# KiCad board TEST_PANEL.kicad_pcb (continued)
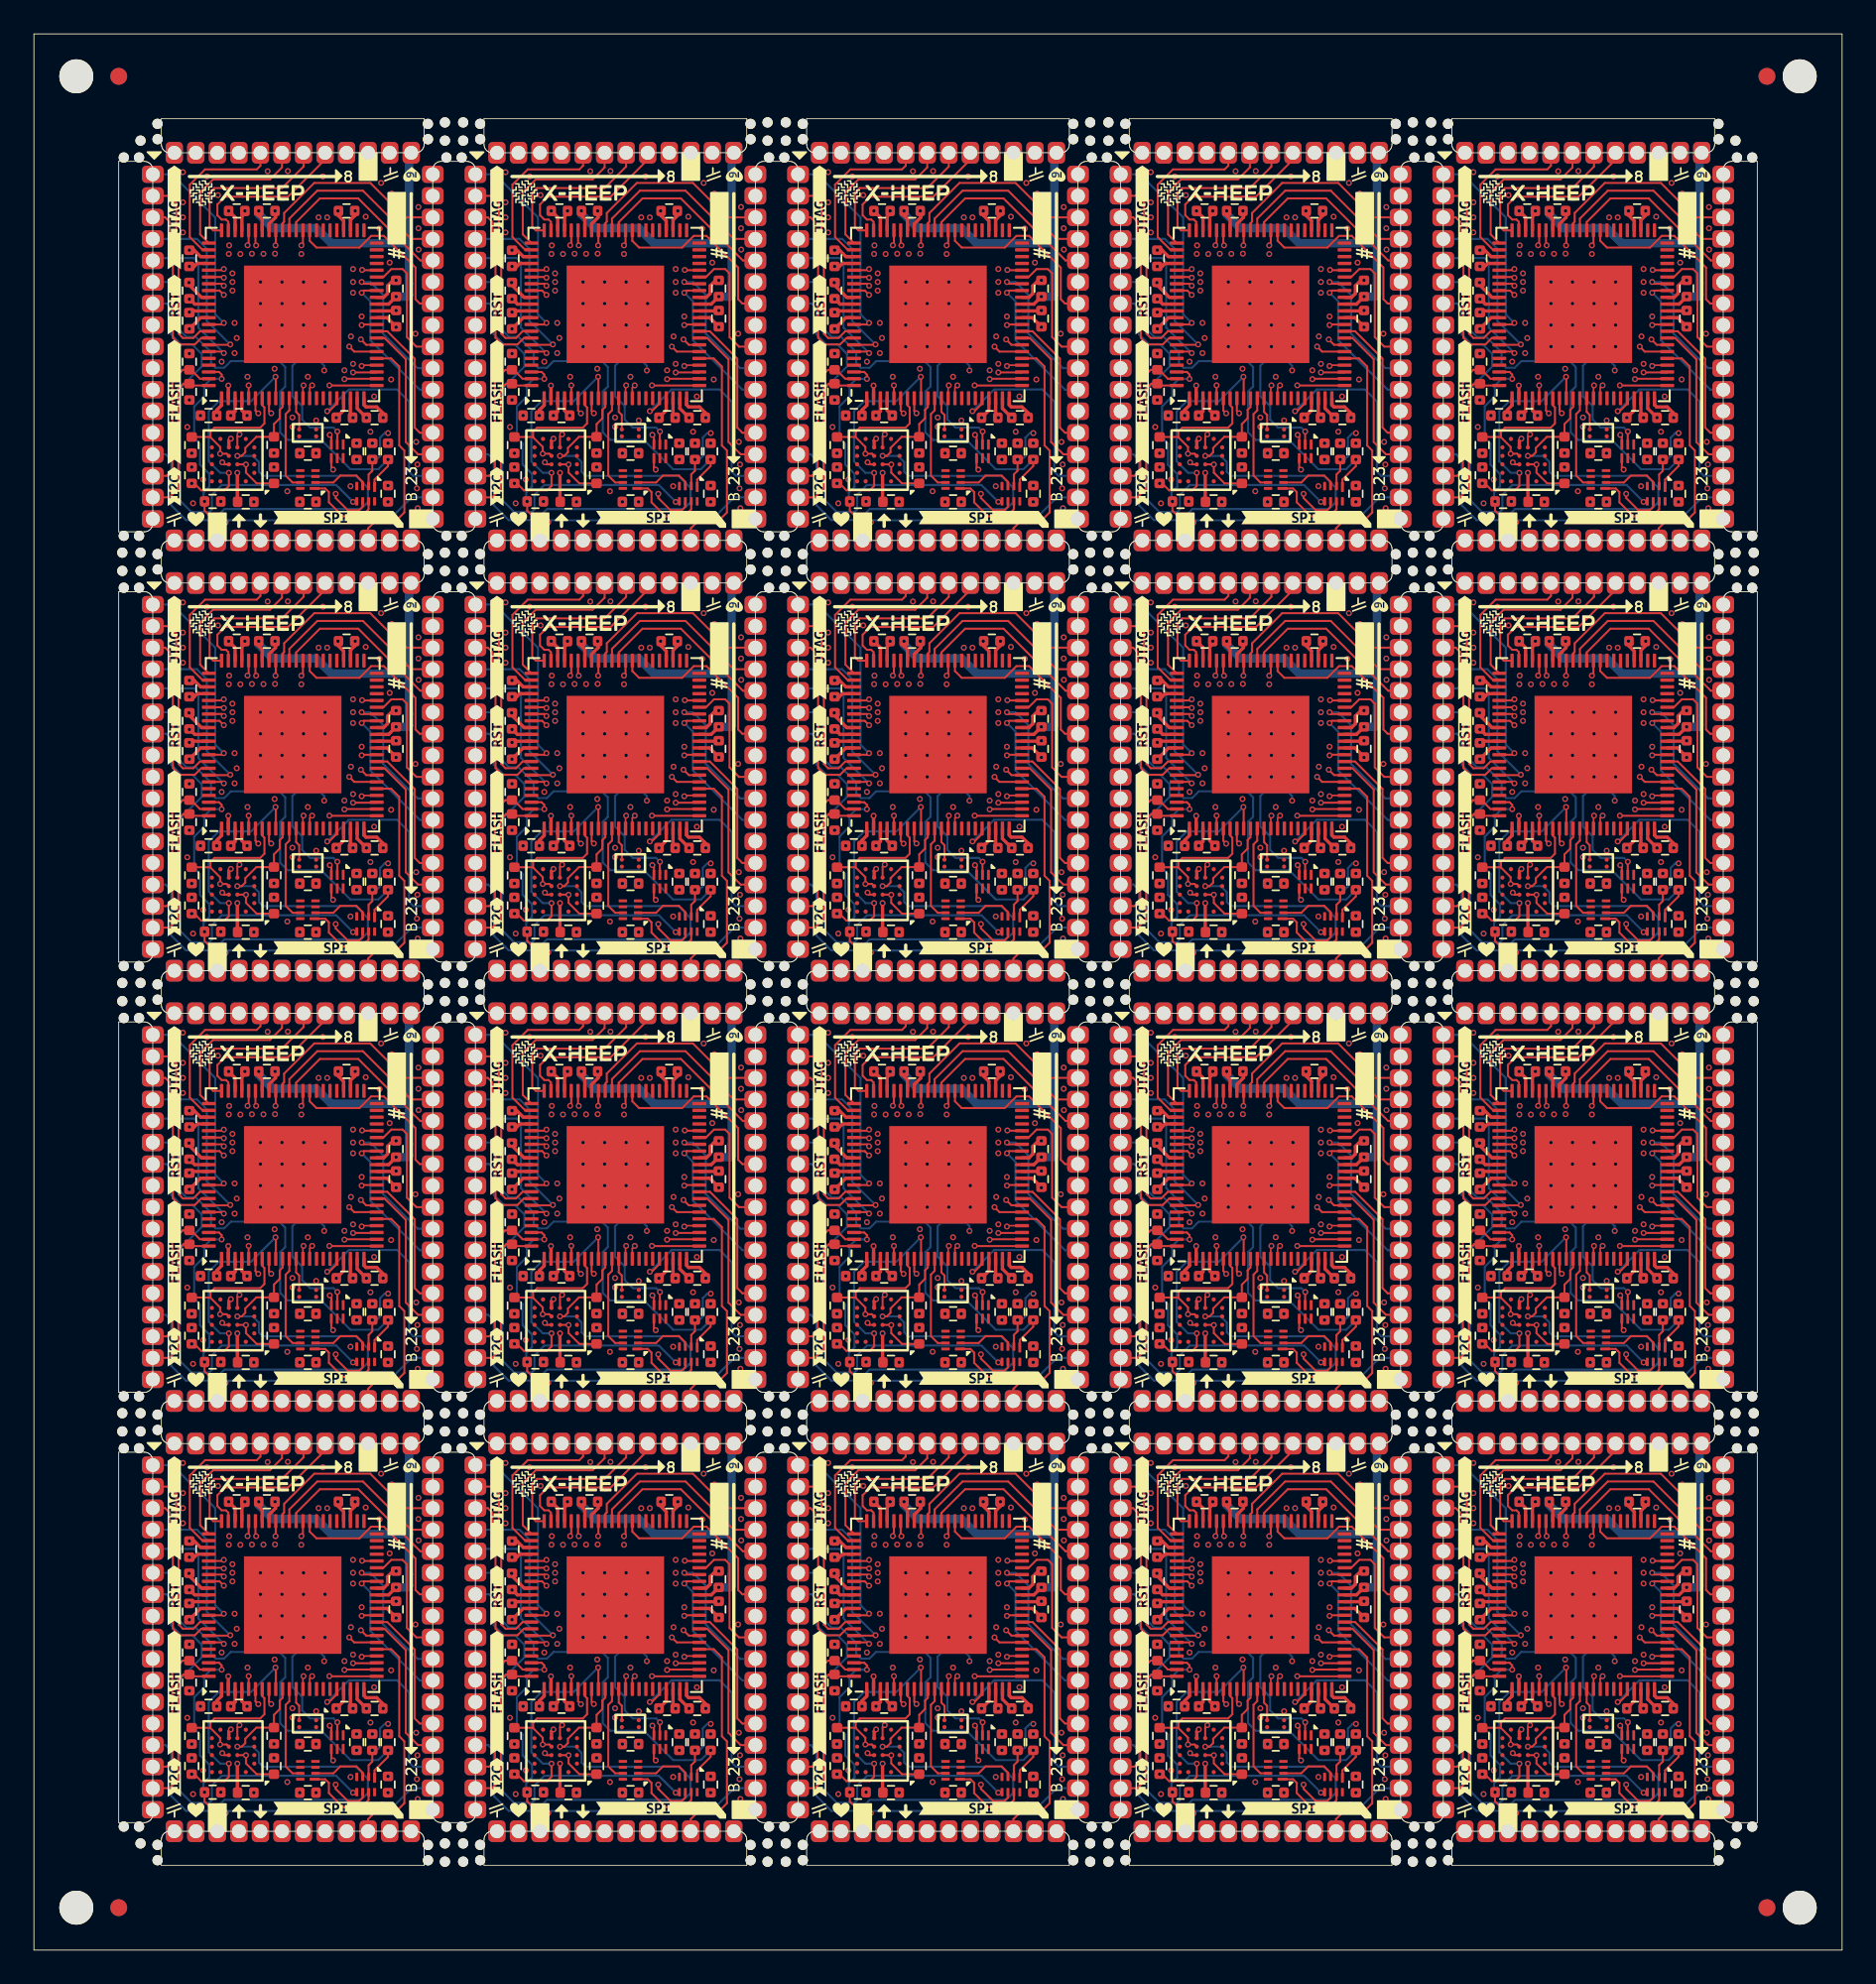
[diagram p0: board, top side]
## Routing (per net, layer and track width the routed paths; a pad name or vN(x,y) marks a point on that pad's centre or on a via; arc(x,y) is an arc through that point) (continued)
  vias: v1(8.47,94.25) v1(8.47,68.88) v1(8.47,43.51) v1(8.47,18.14) v1(8.79,104.84) v1(8.79,103.06) v1(8.79,102.17) v1(8.79,101.28) v1(8.79,79.47) v1(8.79,77.69) v1(8.79,76.8) v1(8.79,75.91) v1(8.79,54.1) v1(8.79,52.32) v1(8.79,51.43) v1(8.79,50.54) v1(8.79,28.72) v1(8.79,26.95) v1(8.79,26.06) v1(8.79,25.17) v1(9.04,89.81) v1(9.04,64.44) v1(9.04,39.07) v1(9.04,13.7) v1(9.14,98.33) v1(9.14,72.96) v1(9.14,47.58) v1(9.14,22.21) v1(9.17,96.58) v1(9.17,71.21) v1(9.17,45.84) v1(9.17,20.47) v1(9.38,85.31) v1(9.38,59.94) v1(9.38,34.57) v1(9.38,9.2) v1(9.82,90.49) v1(9.82,65.12) v1(9.82,39.74) v1(9.82,14.37) v1(9.98,86.71) v1(9.98,61.34) v1(9.98,35.97) v1(9.98,10.6) v1(10.2,104.58) v1(10.2,79.21) v1(10.2,53.84) v1(10.2,28.47) v1(10.85,103.48) v1(10.85,78.11) v1(10.85,52.74) v1(10.85,27.37) v1(11.07,93.66) v1(11.07,68.29) v1(11.07,42.92) v1(11.07,17.55) v1(11.51,100.52) v1(11.49,100.02) v1(11.51,75.15) v1(11.49,74.65) v1(11.51,49.78) v1(11.49,49.27) v1(11.51,24.41) v1(11.49,23.9) v1(11.71,98.87) v1(11.71,98.36) v1(11.71,97.85) v1(11.71,73.5) v1(11.71,72.99) v1(11.71,72.48) v1(11.71,48.13) v1(11.71,47.62) v1(11.71,47.11) v1(11.71,22.76) v1(11.71,22.25) v1(11.71,21.74) v1(11.83,95.95) v1(11.83,94.17) v1(11.83,70.58) v1(11.83,68.8) v1(11.83,45.21) v1(11.83,43.43) v1(11.83,19.83) v1(11.83,18.06) v1(11.96,95.06) v1(11.96,69.69) v1(11.96,44.32) v1(11.96,18.95) v1(12.17,100.01) v1(12.17,74.64) v1(12.17,49.27) v1(12.17,23.9) v1(12.44,102.55) v1(12.44,77.18) v1(12.44,51.81) v1(12.44,26.44) v1(12.6,92.77) v1(12.6,67.4) v1(12.6,42.03) v1(12.6,16.66) v1(12.86,100.03) v1(12.86,74.66) v1(12.86,49.28) v1(12.86,23.91) v1(12.97,85.4) v1(12.97,60.02) v1(12.97,34.65) v1(12.97,9.28) v1(13.36,98.36) v1(13.36,97.09) v1(13.36,95.82) v1(13.36,94.55) v1(13.36,72.99) v1(13.36,71.72) v1(13.36,70.45) v1(13.36,69.18) v1(13.36,47.62) v1(13.36,46.35) v1(13.36,45.08) v1(13.36,43.81) v1(13.36,22.25) v1(13.36,20.98) v1(13.36,19.71) v1(13.36,18.44) v1(13.54,100.02) v1(13.54,74.65) v1(13.54,49.28) v1(13.54,23.91) v1(13.78,104.89) v1(13.78,79.52) v1(13.78,54.15) v1(13.78,28.78) v1(14.22,102.55) v1(14.22,100.03) v1(14.19,93.25) v1(14.22,77.18) v1(14.22,74.66) v1(14.19,67.87) v1(14.22,51.81) v1(14.22,49.29) v1(14.19,42.5) v1(14.22,26.44) v1(14.22,23.92) v1(14.19,17.13) v1(14.63,98.36) v1(14.63,97.09) v1(14.63,95.82) v1(14.63,94.55) v1(14.63,72.99) v1(14.63,71.72) v1(14.63,70.45) v1(14.63,69.18) v1(14.63,47.62) v1(14.63,46.35) v1(14.63,45.08) v1(14.63,43.81) v1(14.63,22.25) v1(14.63,20.98) v1(14.63,19.71) v1(14.63,18.44) v1(14.94,86.02) v1(14.94,60.65) v1(14.94,35.28) v1(14.94,9.91) v1(14.97,104.9) v1(14.97,79.53) v1(14.97,54.16) v1(14.97,28.79) v1(15.24,90.37) v1(15.24,89.82) v1(15.24,65) v1(15.24,64.45) v1(15.24,39.63) v1(15.24,39.08) v1(15.24,14.26) v1(15.24,13.71) v1(15.77,100.01) v1(15.77,74.64) v1(15.77,49.27) v1(15.77,23.9) v1(15.9,98.36) v1(15.9,97.09) v1(15.9,95.82) v1(15.9,94.55) v1(15.9,72.99) v1(15.9,71.72) v1(15.9,70.45) v1(15.9,69.18) v1(15.9,47.62) v1(15.9,46.35) v1(15.9,45.08) v1(15.9,43.81) v1(15.9,22.25) v1(15.9,20.98) v1(15.9,19.71) v1(15.9,18.44) v1(16.15,92.77) v1(16.15,67.4) v1(16.15,42.03) v1(16.15,16.66) v1(16.64,90.2) v1(16.63,88.26) v1(16.63,85.4) v1(16.64,64.82) v1(16.63,62.89) v1(16.63,60.02) v1(16.64,39.45) v1(16.63,37.52) v1(16.63,34.65) v1(16.64,14.08) v1(16.63,12.15) v1(16.63,9.28) v1(16.79,102.17) v1(16.79,76.8) v1(16.79,51.43) v1(16.79,26.06) v1(17.04,104.58) v1(17.04,79.21) v1(17.04,53.84) v1(17.04,28.47) v1(17.17,98.36) v1(17.17,97.09) v1(17.17,95.82) v1(17.17,94.55) v1(17.17,72.99) v1(17.17,71.72) v1(17.17,70.45) v1(17.17,69.18) v1(17.17,47.62) v1(17.17,46.35) v1(17.17,45.08) v1(17.17,43.81) v1(17.17,22.25) v1(17.17,20.98) v1(17.17,19.71) v1(17.17,18.44) v1(17.3,102.17) v1(17.3,76.8) v1(17.3,51.43) v1(17.3,26.06) v1(18.31,93.15) v1(18.31,67.78) v1(18.31,42.41) v1(18.31,17.04) v1(18.69,95.15) v1(18.67,86.32) v1(18.69,69.78) v1(18.67,60.95) v1(18.69,44.41) v1(18.67,35.58) v1(18.69,19.04) v1(18.67,10.21) v1(18.82,99.12) v1(18.82,98.36) v1(18.82,97.73) v1(18.82,93.53) v1(18.82,90.36) v1(18.82,73.75) v1(18.82,72.99) v1(18.82,72.35) v1(18.82,68.16) v1(18.82,64.99) v1(18.82,48.38) v1(18.82,47.62) v1(18.82,46.98) v1(18.82,42.79) v1(18.82,39.62) v1(18.82,23.01) v1(18.82,22.25) v1(18.82,21.61) v1(18.82,17.42) v1(18.82,14.25) v1(18.95,102.55) v1(18.95,77.18) v1(18.95,51.81) v1(18.95,26.44) v1(19.03,88.85) v1(19.03,63.48) v1(19.03,38.11) v1(19.03,12.74) v1(19.33,96.33) v1(19.33,70.96) v1(19.33,45.59) v1(19.33,20.22) v1(19.56,102.21) v1(19.56,76.84) v1(19.56,51.47) v1(19.56,26.1) v1(19.84,89.53) v1(19.84,64.16) v1(19.84,38.79) v1(19.84,13.42) v1(20.06,91.61) v1(20.06,66.24) v1(20.06,40.87) v1(20.06,15.5) v1(20.38,101.51) v1(20.38,76.14) v1(20.38,50.77) v1(20.38,25.4) v1(20.47,104.2) v1(20.54,84.67) v1(20.47,78.83) v1(20.54,59.3) v1(20.47,53.46) v1(20.54,33.93) v1(20.47,28.09) v1(20.54,8.56) v1(20.6,90.36) v1(20.6,64.99) v1(20.6,39.62) v1(20.6,14.25) v1(20.88,86.36) v1(20.88,60.98) v1(20.88,35.61) v1(20.88,10.24) v1(20.98,99.5) v1(21.06,92.61) v1(20.98,74.13) v1(21.06,67.24) v1(20.98,48.76) v1(21.06,41.87) v1(20.98,23.39) v1(21.06,16.5) v1(21.11,103.57) v1(21.11,78.2) v1(21.11,52.83) v1(21.11,27.45) v1(22.5,95.31) v1(22.54,88.93) v1(22.5,69.94) v1(22.54,63.56) v1(22.5,44.57) v1(22.54,38.19) v1(22.5,19.2) v1(22.54,12.82) v1(22.61,87.6) v1(22.58,86.19) v1(22.63,85.02) v1(22.61,62.23) v1(22.58,60.82) v1(22.63,59.65) v1(22.61,36.86) v1(22.58,35.45) v1(22.63,34.28) v1(22.61,11.49) v1(22.58,10.08) v1(22.63,8.91) v1(22.67,102.78) v1(22.67,101.53) v1(22.68,100.27) v1(22.67,77.41) v1(22.67,76.16) v1(22.68,74.9) v1(22.67,52.04) v1(22.67,50.79) v1(22.68,49.53) v1(22.67,26.67) v1(22.67,25.42) v1(22.68,24.16) v1(27.5,94.25) v1(27.5,68.88) v1(27.5,43.51) v1(27.5,18.14) v1(27.81,104.84) v1(27.81,103.06) v1(27.81,102.17) v1(27.81,101.28) v1(27.81,79.47) v1(27.81,77.69) v1(27.81,76.8) v1(27.81,75.91) v1(27.81,54.1) v1(27.81,52.32) v1(27.81,51.43) v1(27.81,50.54) v1(27.81,28.72) v1(27.81,26.95) v1(27.81,26.06) v1(27.81,25.17) v1(28.07,89.81) v1(28.07,64.44) v1(28.07,39.07) v1(28.07,13.7) v1(28.17,98.33) v1(28.19,96.58) v1(28.17,72.96) v1(28.19,71.21) v1(28.17,47.58) v1(28.19,45.84) v1(28.17,22.21) v1(28.19,20.47) v1(28.41,85.31) v1(28.41,59.94) v1(28.41,34.57) v1(28.41,9.2) v1(28.85,90.49) v1(28.85,65.12) v1(28.85,39.74) v1(28.85,14.37) v1(29.01,86.71) v1(29.01,61.34) v1(29.01,35.97) v1(29.01,10.6) v1(29.23,104.58) v1(29.23,79.21) v1(29.23,53.84) v1(29.23,28.47) v1(29.88,103.48) v1(29.88,78.11) v1(29.88,52.74) v1(29.88,27.37) v1(30.1,93.66) v1(30.1,68.29) v1(30.1,42.92) v1(30.1,17.55) v1(30.54,100.52) v1(30.52,100.02) v1(30.54,75.15) v1(30.52,74.65) v1(30.54,49.78) v1(30.52,49.27) v1(30.54,24.41) v1(30.52,23.9) v1(30.73,98.87) v1(30.73,98.36) v1(30.73,97.85) v1(30.73,73.5) v1(30.73,72.99) v1(30.73,72.48) v1(30.73,48.13) v1(30.73,47.62) v1(30.73,47.11) v1(30.73,22.76) v1(30.73,22.25) v1(30.73,21.74) v1(30.86,95.95) v1(30.86,94.17) v1(30.86,70.58) v1(30.86,68.8) v1(30.86,45.21) v1(30.86,43.43) v1(30.86,19.83) v1(30.86,18.06) v1(30.99,95.06) v1(30.99,69.69) v1(30.99,44.32) v1(30.99,18.95) v1(31.2,100.01) v1(31.2,74.64) v1(31.2,49.27) v1(31.2,23.9) v1(31.47,102.55) v1(31.47,77.18) v1(31.47,51.81) v1(31.47,26.44) v1(31.62,92.77) v1(31.62,67.4) v1(31.62,42.03) v1(31.62,16.66) v1(31.88,100.03) v1(31.88,74.66) v1(31.88,49.28) v1(31.88,23.91) v1(32,85.4) v1(32,60.02) v1(32,34.65) v1(32,9.28) v1(32.38,98.36) v1(32.38,97.09) v1(32.38,95.82) v1(32.38,94.55) v1(32.38,72.99) v1(32.38,71.72) v1(32.38,70.45) v1(32.38,69.18) v1(32.38,47.62) v1(32.38,46.35) v1(32.38,45.08) v1(32.38,43.81) v1(32.38,22.25) v1(32.38,20.98) v1(32.38,19.71) v1(32.38,18.44) v1(32.56,100.02) v1(32.56,74.65) v1(32.56,49.28) v1(32.56,23.91) v1(32.81,104.89) v1(32.81,79.52) v1(32.81,54.15) v1(32.81,28.78) v1(33.25,102.55) v1(33.24,100.03) v1(33.22,93.25) v1(33.25,77.18) v1(33.24,74.66) v1(33.22,67.87) v1(33.25,51.81) v1(33.24,49.29) v1(33.22,42.5) v1(33.25,26.44) v1(33.24,23.92) v1(33.22,17.13) v1(33.65,98.36) v1(33.65,97.09) v1(33.65,95.82) v1(33.65,94.55) v1(33.65,72.99) v1(33.65,71.72) v1(33.65,70.45) v1(33.65,69.18) v1(33.65,47.62) v1(33.65,46.35) v1(33.65,45.08) v1(33.65,43.81) v1(33.65,22.25) v1(33.65,20.98) v1(33.65,19.71) v1(33.65,18.44) v1(34,104.9) v1(33.97,86.02) v1(34,79.53) v1(33.97,60.65) v1(34,54.16) v1(33.97,35.28) v1(34,28.79) v1(33.97,9.91) v1(34.27,90.37) v1(34.27,89.82) v1(34.27,65) v1(34.27,64.45) v1(34.27,39.63) v1(34.27,39.08) v1(34.27,14.26) v1(34.27,13.71) v1(34.8,100.01) v1(34.8,74.64) v1(34.8,49.27) v1(34.8,23.9) v1(34.92,98.36) v1(34.92,97.09) v1(34.92,95.82) v1(34.92,94.55) v1(34.92,72.99) v1(34.92,71.72) v1(34.92,70.45) v1(34.92,69.18) v1(34.92,47.62) v1(34.92,46.35) v1(34.92,45.08) v1(34.92,43.81) v1(34.92,22.25) v1(34.92,20.98) v1(34.92,19.71) v1(34.92,18.44) v1(35.18,92.77) v1(35.18,67.4) v1(35.18,42.03) v1(35.18,16.66) v1(35.66,88.26) v1(35.66,85.4) v1(35.66,62.89) v1(35.66,60.02) v1(35.66,37.52) v1(35.66,34.65) v1(35.66,12.15) v1(35.66,9.28) v1(35.67,90.2) v1(35.67,64.82) v1(35.67,39.45) v1(35.67,14.08) v1(35.81,102.17) v1(35.81,76.8) v1(35.81,51.43) v1(35.81,26.06) v1(36.07,104.58) v1(36.07,79.21) v1(36.07,53.84) v1(36.07,28.47) v1(36.19,98.36) v1(36.19,97.09) v1(36.19,95.82) v1(36.19,94.55) v1(36.19,72.99) v1(36.19,71.72) v1(36.19,70.45) v1(36.19,69.18) v1(36.19,47.62) v1(36.19,46.35) v1(36.19,45.08) v1(36.19,43.81) v1(36.19,22.25) v1(36.19,20.98) v1(36.19,19.71) v1(36.19,18.44) v1(36.32,102.17) v1(36.32,76.8) v1(36.32,51.43) v1(36.32,26.06) v1(37.34,93.15) v1(37.34,67.78) v1(37.34,42.41) v1(37.34,17.04) v1(37.72,95.15) v1(37.69,86.32) v1(37.72,69.78) v1(37.69,60.95) v1(37.72,44.41) v1(37.69,35.58) v1(37.72,19.04) v1(37.69,10.21) v1(37.84,99.12) v1(37.84,98.36) v1(37.84,97.73) v1(37.84,93.53) v1(37.84,90.36) v1(37.84,73.75) v1(37.84,72.99) v1(37.84,72.35) v1(37.84,68.16) v1(37.84,64.99) v1(37.84,48.38) v1(37.84,47.62) v1(37.84,46.98) v1(37.84,42.79) v1(37.84,39.62) v1(37.84,23.01) v1(37.84,22.25) v1(37.84,21.61) v1(37.84,17.42) v1(37.84,14.25) v1(37.97,102.55) v1(38.06,88.85) v1(37.97,77.18) v1(38.06,63.48) v1(37.97,51.81) v1(38.06,38.11) v1(37.97,26.44) v1(38.06,12.74) v1(38.35,96.33) v1(38.35,70.96) v1(38.35,45.59) v1(38.35,20.22) v1(38.59,102.21) v1(38.59,76.84) v1(38.59,51.47) v1(38.59,26.1) v1(38.87,89.53) v1(38.87,64.16) v1(38.87,38.79) v1(38.87,13.42) v1(39.09,91.61) v1(39.09,66.24) v1(39.09,40.87) v1(39.09,15.5) v1(39.41,101.51) v1(39.41,76.14) v1(39.41,50.77) v1(39.41,25.4) v1(39.5,104.2) v1(39.5,78.83) v1(39.5,53.46) v1(39.5,28.09) v1(39.62,90.36) v1(39.57,84.67) v1(39.62,64.99) v1(39.57,59.3) v1(39.62,39.62) v1(39.57,33.93) v1(39.62,14.25) v1(39.57,8.56) v1(39.91,86.36) v1(39.91,60.98) v1(39.91,35.61) v1(39.91,10.24) v1(40,99.5) v1(40,74.13) v1(40,48.76) v1(40,23.39) v1(40.13,103.57) v1(40.09,92.61) v1(40.13,78.2) v1(40.09,67.24) v1(40.13,52.83) v1(40.09,41.87) v1(40.13,27.45) v1(40.09,16.5) v1(41.53,95.31) v1(41.53,69.94) v1(41.53,44.57) v1(41.53,19.2) v1(41.57,88.93) v1(41.64,87.6) v1(41.61,86.19) v1(41.66,85.02) v1(41.57,63.56) v1(41.64,62.23) v1(41.61,60.82) v1(41.66,59.65) v1(41.57,38.19) v1(41.64,36.86) v1(41.61,35.45) v1(41.66,34.28) v1(41.57,12.82) v1(41.64,11.49) v1(41.61,10.08) v1(41.66,8.91) v1(41.7,102.78) v1(41.7,101.53) v1(41.71,100.27) v1(41.7,77.41) v1(41.7,76.16) v1(41.71,74.9) v1(41.7,52.04) v1(41.7,50.79) v1(41.71,49.53) v1(41.7,26.67) v1(41.7,25.42) v1(41.71,24.16) v1(46.53,94.25) v1(46.53,68.88) v1(46.53,43.51) v1(46.53,18.14) v1(46.84,104.84) v1(46.84,103.06) v1(46.84,102.17) v1(46.84,101.28) v1(46.84,79.47) v1(46.84,77.69) v1(46.84,76.8) v1(46.84,75.91) v1(46.84,54.1) v1(46.84,52.32) v1(46.84,51.43) v1(46.84,50.54) v1(46.84,28.72) v1(46.84,26.95) v1(46.84,26.06) v1(46.84,25.17) v1(47.1,89.81) v1(47.1,64.44) v1(47.1,39.07) v1(47.1,13.7) v1(47.2,98.33) v1(47.22,96.58) v1(47.2,72.96) v1(47.22,71.21) v1(47.2,47.58) v1(47.22,45.84) v1(47.2,22.21) v1(47.22,20.47) v1(47.44,85.31) v1(47.44,59.94) v1(47.44,34.57) v1(47.44,9.2) v1(47.87,90.49) v1(47.87,65.12) v1(47.87,39.74) v1(47.87,14.37) v1(48.04,86.71) v1(48.04,61.34) v1(48.04,35.97) v1(48.04,10.6) v1(48.26,104.58) v1(48.26,79.21) v1(48.26,53.84) v1(48.26,28.47) v1(48.91,103.48) v1(48.91,78.11) v1(48.91,52.74) v1(48.91,27.37) v1(49.12,93.66) v1(49.12,68.29) v1(49.12,42.92) v1(49.12,17.55) v1(49.55,100.02) v1(49.55,74.65) v1(49.55,49.27) v1(49.55,23.9) v1(49.57,100.52) v1(49.57,75.15) v1(49.57,49.78) v1(49.57,24.41) v1(49.76,98.87) v1(49.76,98.36) v1(49.76,97.85) v1(49.76,73.5) v1(49.76,72.99) v1(49.76,72.48) v1(49.76,48.13) v1(49.76,47.62) v1(49.76,47.11) v1(49.76,22.76) v1(49.76,22.25) v1(49.76,21.74) v1(49.89,95.95) v1(49.89,94.17) v1(49.89,70.58) v1(49.89,68.8) v1(49.89,45.21) v1(49.89,43.43) v1(49.89,19.83) v1(49.89,18.06) v1(50.01,95.06) v1(50.01,69.69) v1(50.01,44.32) v1(50.01,18.95) v1(50.23,100.01) v1(50.23,74.64) v1(50.23,49.27) v1(50.23,23.9) v1(50.49,102.55) v1(50.49,77.18) v1(50.49,51.81) v1(50.49,26.44) v1(50.65,92.77) v1(50.65,67.4) v1(50.65,42.03) v1(50.65,16.66) v1(50.91,100.03) v1(50.91,74.66) v1(50.91,49.28) v1(50.91,23.91) v1(51.02,85.4) v1(51.02,60.02) v1(51.02,34.65) v1(51.02,9.28) v1(51.41,98.36) v1(51.41,97.09) v1(51.41,95.82) v1(51.41,94.55) v1(51.41,72.99) v1(51.41,71.72) v1(51.41,70.45) v1(51.41,69.18) v1(51.41,47.62) v1(51.41,46.35) v1(51.41,45.08) v1(51.41,43.81) v1(51.41,22.25) v1(51.41,20.98) v1(51.41,19.71) v1(51.41,18.44) v1(51.59,100.02) v1(51.59,74.65) v1(51.59,49.28) v1(51.59,23.91) v1(51.84,104.89) v1(51.84,79.52) v1(51.84,54.15) v1(51.84,28.78) v1(52.25,93.25) v1(52.25,67.87) v1(52.25,42.5) v1(52.25,17.13) v1(52.27,102.55) v1(52.27,100.03) v1(52.27,77.18) v1(52.27,74.66) v1(52.27,51.81) v1(52.27,49.29) v1(52.27,26.44) v1(52.27,23.92) v1(52.68,98.36) v1(52.68,97.09) v1(52.68,95.82) v1(52.68,94.55) v1(52.68,72.99) v1(52.68,71.72) v1(52.68,70.45) v1(52.68,69.18) v1(52.68,47.62) v1(52.68,46.35) v1(52.68,45.08) v1(52.68,43.81) v1(52.68,22.25) v1(52.68,20.98) v1(52.68,19.71) v1(52.68,18.44) v1(53.03,104.9) v1(53,86.02) v1(53.03,79.53) v1(53,60.65) v1(53.03,54.16) v1(53,35.28) v1(53.03,28.79) v1(53,9.91) v1(53.3,90.37) v1(53.3,89.82) v1(53.3,65) v1(53.3,64.45) v1(53.3,39.63) v1(53.3,39.08) v1(53.3,14.26) v1(53.3,13.71) v1(53.82,100.01) v1(53.82,74.64) v1(53.82,49.27) v1(53.82,23.9) v1(53.95,98.36) v1(53.95,97.09) v1(53.95,95.82) v1(53.95,94.55) v1(53.95,72.99) v1(53.95,71.72) v1(53.95,70.45) v1(53.95,69.18) v1(53.95,47.62) v1(53.95,46.35) v1(53.95,45.08) v1(53.95,43.81) v1(53.95,22.25) v1(53.95,20.98) v1(53.95,19.71) v1(53.95,18.44) v1(54.2,92.77) v1(54.2,67.4) v1(54.2,42.03) v1(54.2,16.66) v1(54.7,90.2) v1(54.69,88.26) v1(54.69,85.4) v1(54.7,64.82) v1(54.69,62.89) v1(54.69,60.02) v1(54.7,39.45) v1(54.69,37.52) v1(54.69,34.65) v1(54.7,14.08) v1(54.69,12.15) v1(54.69,9.28) v1(54.84,102.17) v1(54.84,76.8) v1(54.84,51.43) v1(54.84,26.06) v1(55.09,104.58) v1(55.09,79.21) v1(55.09,53.84) v1(55.09,28.47) v1(55.22,98.36) v1(55.22,97.09) v1(55.22,95.82) v1(55.22,94.55) v1(55.22,72.99) v1(55.22,71.72) v1(55.22,70.45) v1(55.22,69.18) v1(55.22,47.62) v1(55.22,46.35) v1(55.22,45.08) v1(55.22,43.81) v1(55.22,22.25) v1(55.22,20.98) v1(55.22,19.71) v1(55.22,18.44) v1(55.35,102.17) v1(55.35,76.8) v1(55.35,51.43) v1(55.35,26.06) v1(56.36,93.15) v1(56.36,67.78) v1(56.36,42.41) v1(56.36,17.04) v1(56.75,95.15) v1(56.72,86.32) v1(56.75,69.78) v1(56.72,60.95) v1(56.75,44.41) v1(56.72,35.58) v1(56.75,19.04) v1(56.72,10.21) v1(56.87,99.12) v1(56.87,98.36) v1(56.87,97.73) v1(56.87,93.53) v1(56.87,90.36) v1(56.87,73.75) v1(56.87,72.99) v1(56.87,72.35) v1(56.87,68.16) v1(56.87,64.99) v1(56.87,48.38) v1(56.87,47.62) v1(56.87,46.98) v1(56.87,42.79) v1(56.87,39.62) v1(56.87,23.01) v1(56.87,22.25) v1(56.87,21.61) v1(56.87,17.42) v1(56.87,14.25) v1(57,102.55) v1(57,77.18) v1(57,51.81) v1(57,26.44) v1(57.08,88.85) v1(57.08,63.48) v1(57.08,38.11) v1(57.08,12.74) v1(57.38,96.33) v1(57.38,70.96) v1(57.38,45.59) v1(57.38,20.22) v1(57.62,102.21) v1(57.62,76.84) v1(57.62,51.47) v1(57.62,26.1) v1(57.9,89.53) v1(57.9,64.16) v1(57.9,38.79) v1(57.9,13.42) v1(58.12,91.61) v1(58.12,66.24) v1(58.12,40.87) v1(58.12,15.5) v1(58.44,101.51) v1(58.44,76.14) v1(58.44,50.77) v1(58.44,25.4) v1(58.52,104.2) v1(58.52,78.83) v1(58.52,53.46) v1(58.52,28.09) v1(58.65,90.36) v1(58.6,84.67) v1(58.65,64.99) v1(58.6,59.3) v1(58.65,39.62) v1(58.6,33.93) v1(58.65,14.25) v1(58.6,8.56) v1(58.93,86.36) v1(58.93,60.98) v1(58.93,35.61) v1(58.93,10.24) v1(59.03,99.5) v1(59.03,74.13) v1(59.03,48.76) v1(59.03,23.39) v1(59.16,103.57) v1(59.12,92.61) v1(59.16,78.2) v1(59.12,67.24) v1(59.16,52.83) v1(59.12,41.87) v1(59.16,27.45) v1(59.12,16.5) v1(60.55,95.31) v1(60.55,69.94) v1(60.55,44.57) v1(60.55,19.2) v1(60.6,88.93) v1(60.64,86.19) v1(60.6,63.56) v1(60.64,60.82) v1(60.6,38.19) v1(60.64,35.45) v1(60.6,12.82) v1(60.64,10.08) v1(60.73,102.78) v1(60.73,101.53) v1(60.74,100.27) v1(60.67,87.6) v1(60.69,85.02) v1(60.73,77.41) v1(60.73,76.16) v1(60.74,74.9) v1(60.67,62.23) v1(60.69,59.65) v1(60.73,52.04) v1(60.73,50.79) v1(60.74,49.53) v1(60.67,36.86) v1(60.69,34.28) v1(60.73,26.67) v1(60.73,25.42) v1(60.74,24.16) v1(60.67,11.49) v1(60.69,8.91) v1(65.55,94.25) v1(65.55,68.88) v1(65.55,43.51) v1(65.55,18.14) v1(65.86,104.84) v1(65.86,103.06) v1(65.86,102.17) v1(65.86,101.28) v1(65.86,79.47) v1(65.86,77.69) v1(65.86,76.8) v1(65.86,75.91) v1(65.86,54.1) v1(65.86,52.32) v1(65.86,51.43) v1(65.86,50.54) v1(65.86,28.72) v1(65.86,26.95) v1(65.86,26.06) v1(65.86,25.17) v1(66.12,89.81) v1(66.12,64.44) v1(66.12,39.07) v1(66.12,13.7) v1(66.22,98.33) v1(66.25,96.58) v1(66.22,72.96) v1(66.25,71.21) v1(66.22,47.58) v1(66.25,45.84) v1(66.22,22.21) v1(66.25,20.47) v1(66.46,85.31) v1(66.46,59.94) v1(66.46,34.57) v1(66.46,9.2) v1(66.9,90.49) v1(66.9,65.12) v1(66.9,39.74) v1(66.9,14.37) v1(67.06,86.71) v1(67.06,61.34) v1(67.06,35.97) v1(67.06,10.6) v1(67.28,104.58) v1(67.28,79.21) v1(67.28,53.84) v1(67.28,28.47) v1(67.93,103.48) v1(67.93,78.11) v1(67.93,52.74) v1(67.93,27.37) v1(68.15,93.66) v1(68.15,68.29) v1(68.15,42.92) v1(68.15,17.55) v1(68.59,100.52) v1(68.57,100.02) v1(68.59,75.15) v1(68.57,74.65) v1(68.59,49.78) v1(68.57,49.27) v1(68.59,24.41) v1(68.57,23.9) v1(68.78,98.87) v1(68.78,98.36) v1(68.78,97.85) v1(68.78,73.5) v1(68.78,72.99) v1(68.78,72.48) v1(68.78,48.13) v1(68.78,47.62) v1(68.78,47.11) v1(68.78,22.76) v1(68.78,22.25) v1(68.78,21.74) v1(68.91,95.95) v1(68.91,94.17) v1(68.91,70.58) v1(68.91,68.8) v1(68.91,45.21) v1(68.91,43.43) v1(68.91,19.83) v1(68.91,18.06) v1(69.04,95.06) v1(69.04,69.69) v1(69.04,44.32) v1(69.04,18.95) v1(69.25,100.01) v1(69.25,74.64) v1(69.25,49.27) v1(69.25,23.9) v1(69.52,102.55) v1(69.52,77.18) v1(69.52,51.81) v1(69.52,26.44) v1(69.67,92.77) v1(69.67,67.4) v1(69.67,42.03) v1(69.67,16.66) v1(69.93,100.03) v1(69.93,74.66) v1(69.93,49.28) v1(69.93,23.91) v1(70.05,85.4) v1(70.05,60.02) v1(70.05,34.65) v1(70.05,9.28) v1(70.44,98.36) v1(70.44,97.09) v1(70.44,95.82) v1(70.44,94.55) v1(70.44,72.99) v1(70.44,71.72) v1(70.44,70.45) v1(70.44,69.18) v1(70.44,47.62) v1(70.44,46.35) v1(70.44,45.08) v1(70.44,43.81) v1(70.44,22.25) v1(70.44,20.98) v1(70.44,19.71) v1(70.44,18.44) v1(70.61,100.02) v1(70.61,74.65) v1(70.61,49.28) v1(70.61,23.91) v1(70.86,104.89) v1(70.86,79.52) v1(70.86,54.15) v1(70.86,28.78) v1(71.3,102.55) v1(71.29,100.03) v1(71.27,93.25) v1(71.3,77.18) v1(71.29,74.66) v1(71.27,67.87) v1(71.3,51.81) v1(71.29,49.29) v1(71.27,42.5) v1(71.3,26.44) v1(71.29,23.92) v1(71.27,17.13) v1(71.71,98.36) v1(71.71,97.09) v1(71.71,95.82) v1(71.71,94.55) v1(71.71,72.99) v1(71.71,71.72) v1(71.71,70.45) v1(71.71,69.18) v1(71.71,47.62) v1(71.71,46.35) v1(71.71,45.08) v1(71.71,43.81) v1(71.71,22.25) v1(71.71,20.98) v1(71.71,19.71) v1(71.71,18.44) v1(72.05,104.9) v1(72.02,86.02) v1(72.05,79.53) v1(72.02,60.65) v1(72.05,54.16) v1(72.02,35.28) v1(72.05,28.79) v1(72.02,9.91) v1(72.32,90.37) v1(72.32,89.82) v1(72.32,65) v1(72.32,64.45) v1(72.32,39.63) v1(72.32,39.08) v1(72.32,14.26) v1(72.32,13.71) v1(72.85,100.01) v1(72.85,74.64) v1(72.85,49.27) v1(72.85,23.9) v1(72.98,98.36) v1(72.98,97.09) v1(72.98,95.82) v1(72.98,94.55) v1(72.98,72.99) v1(72.98,71.72) v1(72.98,70.45) v1(72.98,69.18) v1(72.98,47.62) v1(72.98,46.35) v1(72.98,45.08) v1(72.98,43.81) v1(72.98,22.25) v1(72.98,20.98) v1(72.98,19.71) v1(72.98,18.44) v1(73.23,92.77) v1(73.23,67.4) v1(73.23,42.03) v1(73.23,16.66) v1(73.72,90.2) v1(73.71,88.26) v1(73.71,85.4) v1(73.72,64.82) v1(73.71,62.89) v1(73.71,60.02) v1(73.72,39.45) v1(73.71,37.52) v1(73.71,34.65) v1(73.72,14.08) v1(73.71,12.15) v1(73.71,9.28) v1(73.87,102.17) v1(73.87,76.8) v1(73.87,51.43) v1(73.87,26.06) v1(74.12,104.58) v1(74.12,79.21) v1(74.12,53.84) v1(74.12,28.47) v1(74.25,98.36) v1(74.25,97.09) v1(74.25,95.82) v1(74.25,94.55) v1(74.25,72.99) v1(74.25,71.72) v1(74.25,70.45) v1(74.25,69.18) v1(74.25,47.62) v1(74.25,46.35) v1(74.25,45.08) v1(74.25,43.81) v1(74.25,22.25) v1(74.25,20.98) v1(74.25,19.71) v1(74.25,18.44) v1(74.37,102.17) v1(74.37,76.8) v1(74.37,51.43) v1(74.37,26.06) v1(75.39,93.15) v1(75.39,67.78) v1(75.39,42.41) v1(75.39,17.04) v1(75.75,86.32) v1(75.75,60.95) v1(75.75,35.58) v1(75.75,10.21) v1(75.77,95.15) v1(75.77,69.78) v1(75.77,44.41) v1(75.77,19.04) v1(75.9,99.12) v1(75.9,98.36) v1(75.9,97.73) v1(75.9,93.53) v1(75.9,90.36) v1(75.9,73.75) v1(75.9,72.99) v1(75.9,72.35) v1(75.9,68.16) v1(75.9,64.99) v1(75.9,48.38) v1(75.9,47.62) v1(75.9,46.98) v1(75.9,42.79) v1(75.9,39.62) v1(75.9,23.01) v1(75.9,22.25) v1(75.9,21.61) v1(75.9,17.42) v1(75.9,14.25) v1(76.02,102.55) v1(76.02,77.18) v1(76.02,51.81) v1(76.02,26.44) v1(76.11,88.85) v1(76.11,63.48) v1(76.11,38.11) v1(76.11,12.74) v1(76.41,96.33) v1(76.41,70.96) v1(76.41,45.59) v1(76.41,20.22) v1(76.64,102.21) v1(76.64,76.84) v1(76.64,51.47) v1(76.64,26.1) v1(76.92,89.53) v1(76.92,64.16) v1(76.92,38.79) v1(76.92,13.42) v1(77.14,91.61) v1(77.14,66.24) v1(77.14,40.87) v1(77.14,15.5) v1(77.46,101.51) v1(77.46,76.14) v1(77.46,50.77) v1(77.46,25.4) v1(77.55,104.2) v1(77.55,78.83) v1(77.55,53.46) v1(77.55,28.09) v1(77.62,84.67) v1(77.62,59.3) v1(77.62,33.93) v1(77.62,8.56) v1(77.68,90.36) v1(77.68,64.99) v1(77.68,39.62) v1(77.68,14.25) v1(77.96,86.36) v1(77.96,60.98) v1(77.96,35.61) v1(77.96,10.24) v1(78.06,99.5) v1(78.06,74.13) v1(78.06,48.76) v1(78.06,23.39) v1(78.14,92.61) v1(78.14,67.24) v1(78.14,41.87) v1(78.14,16.5) v1(78.18,103.57) v1(78.18,78.2) v1(78.18,52.83) v1(78.18,27.45) v1(79.58,95.31) v1(79.62,88.93) v1(79.66,86.19) v1(79.58,69.94) v1(79.62,63.56) v1(79.66,60.82) v1(79.58,44.57) v1(79.62,38.19) v1(79.66,35.45) v1(79.58,19.2) v1(79.62,12.82) v1(79.66,10.08) v1(79.75,102.78) v1(79.75,101.53) v1(79.76,100.27) v1(79.69,87.6) v1(79.71,85.02) v1(79.75,77.41) v1(79.75,76.16) v1(79.76,74.9) v1(79.69,62.23) v1(79.71,59.65) v1(79.75,52.04) v1(79.75,50.79) v1(79.76,49.53) v1(79.69,36.86) v1(79.71,34.28) v1(79.75,26.67) v1(79.75,25.42) v1(79.76,24.16) v1(79.69,11.49) v1(79.71,8.91) v1(84.58,94.25) v1(84.58,68.88) v1(84.58,43.51) v1(84.58,18.14) v1(84.89,104.84) v1(84.89,103.06) v1(84.89,102.17) v1(84.89,101.28) v1(84.89,79.47) v1(84.89,77.69) v1(84.89,76.8) v1(84.89,75.91) v1(84.89,54.1) v1(84.89,52.32) v1(84.89,51.43) v1(84.89,50.54) v1(84.89,28.72) v1(84.89,26.95) v1(84.89,26.06) v1(84.89,25.17) v1(85.15,89.81) v1(85.15,64.44) v1(85.15,39.07) v1(85.15,13.7) v1(85.25,98.33) v1(85.25,72.96) v1(85.25,47.58) v1(85.25,22.21) v1(85.27,96.58) v1(85.27,71.21) v1(85.27,45.84) v1(85.27,20.47) v1(85.49,85.31) v1(85.49,59.94) v1(85.49,34.57) v1(85.49,9.2) v1(85.92,90.49) v1(85.92,65.12) v1(85.92,39.74) v1(85.92,14.37) v1(86.09,86.71) v1(86.09,61.34) v1(86.09,35.97) v1(86.09,10.6) v1(86.31,104.58) v1(86.31,79.21) v1(86.31,53.84) v1(86.31,28.47) v1(86.96,103.48) v1(86.96,78.11) v1(86.96,52.74) v1(86.96,27.37) v1(87.18,93.66) v1(87.18,68.29) v1(87.18,42.92) v1(87.18,17.55) v1(87.62,100.52) v1(87.6,100.02) v1(87.62,75.15) v1(87.6,74.65) v1(87.62,49.78) v1(87.6,49.27) v1(87.62,24.41) v1(87.6,23.9) v1(87.81,98.87) v1(87.81,98.36) v1(87.81,97.85) v1(87.81,73.5) v1(87.81,72.99) v1(87.81,72.48) v1(87.81,48.13) v1(87.81,47.62) v1(87.81,47.11) v1(87.81,22.76) v1(87.81,22.25) v1(87.81,21.74) v1(87.94,95.95) v1(87.94,94.17) v1(87.94,70.58) v1(87.94,68.8) v1(87.94,45.21) v1(87.94,43.43) v1(87.94,19.83) v1(87.94,18.06) v1(88.06,95.06) v1(88.06,69.69) v1(88.06,44.32) v1(88.06,18.95) v1(88.28,100.01) v1(88.28,74.64) v1(88.28,49.27) v1(88.28,23.9) v1(88.54,102.55) v1(88.54,77.18) v1(88.54,51.81) v1(88.54,26.44) v1(88.7,92.77) v1(88.7,67.4) v1(88.7,42.03) v1(88.7,16.66) v1(88.96,100.03) v1(88.96,74.66) v1(88.96,49.28) v1(88.96,23.91) v1(89.07,85.4) v1(89.07,60.02) v1(89.07,34.65) v1(89.07,9.28) v1(89.46,98.36) v1(89.46,97.09) v1(89.46,95.82) v1(89.46,94.55) v1(89.46,72.99) v1(89.46,71.72) v1(89.46,70.45) v1(89.46,69.18) v1(89.46,47.62) v1(89.46,46.35) v1(89.46,45.08) v1(89.46,43.81) v1(89.46,22.25) v1(89.46,20.98) v1(89.46,19.71) v1(89.46,18.44) v1(89.64,100.02) v1(89.64,74.65) v1(89.64,49.28) v1(89.64,23.91) v1(89.89,104.89) v1(89.89,79.52) v1(89.89,54.15) v1(89.89,28.78) v1(90.32,102.55) v1(90.32,100.03) v1(90.3,93.25) v1(90.32,77.18) v1(90.32,74.66) v1(90.3,67.87) v1(90.32,51.81) v1(90.32,49.29) v1(90.3,42.5) v1(90.32,26.44) v1(90.32,23.92) v1(90.3,17.13) v1(90.73,98.36) v1(90.73,97.09) v1(90.73,95.82) v1(90.73,94.55) v1(90.73,72.99) v1(90.73,71.72) v1(90.73,70.45) v1(90.73,69.18) v1(90.73,47.62) v1(90.73,46.35) v1(90.73,45.08) v1(90.73,43.81) v1(90.73,22.25) v1(90.73,20.98) v1(90.73,19.71) v1(90.73,18.44) v1(91.05,86.02) v1(91.05,60.65) v1(91.05,35.28) v1(91.05,9.91) v1(91.08,104.9) v1(91.08,79.53) v1(91.08,54.16) v1(91.08,28.79) v1(91.35,90.37) v1(91.35,89.82) v1(91.35,65) v1(91.35,64.45) v1(91.35,39.63) v1(91.35,39.08) v1(91.35,14.26) v1(91.35,13.71) v1(91.88,100.01) v1(91.88,74.64) v1(91.88,49.27) v1(91.88,23.9) v1(92,98.36) v1(92,97.09) v1(92,95.82) v1(92,94.55) v1(92,72.99) v1(92,71.72) v1(92,70.45) v1(92,69.18) v1(92,47.62) v1(92,46.35) v1(92,45.08) v1(92,43.81) v1(92,22.25) v1(92,20.98) v1(92,19.71) v1(92,18.44) v1(92.26,92.77) v1(92.26,67.4) v1(92.26,42.03) v1(92.26,16.66) v1(92.75,90.2) v1(92.74,88.26) v1(92.74,85.4) v1(92.75,64.82) v1(92.74,62.89) v1(92.74,60.02) v1(92.75,39.45) v1(92.74,37.52) v1(92.74,34.65) v1(92.75,14.08) v1(92.74,12.15) v1(92.74,9.28) v1(92.89,102.17) v1(92.89,76.8) v1(92.89,51.43) v1(92.89,26.06) v1(93.15,104.58) v1(93.15,79.21) v1(93.15,53.84) v1(93.15,28.47) v1(93.27,98.36) v1(93.27,97.09) v1(93.27,95.82) v1(93.27,94.55) v1(93.27,72.99) v1(93.27,71.72) v1(93.27,70.45) v1(93.27,69.18) v1(93.27,47.62) v1(93.27,46.35) v1(93.27,45.08) v1(93.27,43.81) v1(93.27,22.25) v1(93.27,20.98) v1(93.27,19.71) v1(93.27,18.44) v1(93.4,102.17) v1(93.4,76.8) v1(93.4,51.43) v1(93.4,26.06) v1(94.41,93.15) v1(94.41,67.78) v1(94.41,42.41) v1(94.41,17.04) v1(94.8,95.15) v1(94.77,86.32) v1(94.8,69.78) v1(94.77,60.95) v1(94.8,44.41) v1(94.77,35.58) v1(94.8,19.04) v1(94.77,10.21) v1(94.92,99.12) v1(94.92,98.36) v1(94.92,97.73) v1(94.92,93.53) v1(94.92,90.36) v1(94.92,73.75) v1(94.92,72.99) v1(94.92,72.35) v1(94.92,68.16) v1(94.92,64.99) v1(94.92,48.38) v1(94.92,47.62) v1(94.92,46.98) v1(94.92,42.79) v1(94.92,39.62) v1(94.92,23.01) v1(94.92,22.25) v1(94.92,21.61) v1(94.92,17.42) v1(94.92,14.25) v1(95.05,102.55) v1(95.05,77.18) v1(95.05,51.81) v1(95.05,26.44) v1(95.13,88.85) v1(95.13,63.48) v1(95.13,38.11) v1(95.13,12.74) v1(95.43,96.33) v1(95.43,70.96) v1(95.43,45.59) v1(95.43,20.22) v1(95.67,102.21) v1(95.67,76.84) v1(95.67,51.47) v1(95.67,26.1) v1(95.95,89.53) v1(95.95,64.16) v1(95.95,38.79) v1(95.95,13.42) v1(96.17,91.61) v1(96.17,66.24) v1(96.17,40.87) v1(96.17,15.5) v1(96.49,101.51) v1(96.49,76.14) v1(96.49,50.77) v1(96.49,25.4) v1(96.57,104.2) v1(96.65,84.67) v1(96.57,78.83) v1(96.65,59.3) v1(96.57,53.46) v1(96.65,33.93) v1(96.57,28.09) v1(96.65,8.56) v1(96.7,90.36) v1(96.7,64.99) v1(96.7,39.62) v1(96.7,14.25) v1(96.98,86.36) v1(96.98,60.98) v1(96.98,35.61) v1(96.98,10.24) v1(97.08,99.5) v1(97.08,74.13) v1(97.08,48.76) v1(97.08,23.39) v1(97.21,103.57) v1(97.17,92.61) v1(97.21,78.2) v1(97.17,67.24) v1(97.21,52.83) v1(97.17,41.87) v1(97.21,27.45) v1(97.17,16.5) v1(98.61,95.31) v1(98.65,88.93) v1(98.61,69.94) v1(98.65,63.56) v1(98.61,44.57) v1(98.65,38.19) v1(98.61,19.2) v1(98.65,12.82) v1(98.72,87.6) v1(98.69,86.19) v1(98.74,85.02) v1(98.72,62.23) v1(98.69,60.82) v1(98.74,59.65) v1(98.72,36.86) v1(98.69,35.45) v1(98.74,34.28) v1(98.72,11.49) v1(98.69,10.08) v1(98.74,8.91) v1(98.78,102.78) v1(98.78,101.53) v1(98.79,100.27) v1(98.78,77.41) v1(98.78,76.16) v1(98.79,74.9) v1(98.78,52.04) v1(98.78,50.79) v1(98.79,49.53) v1(98.78,26.67) v1(98.78,25.42) v1(98.79,24.16)
